# Altium PCB Horizontal Circuit Board.PcbDoc (part 1 of 2)
Units mm, origin at the board's own origin, x right, y up, seen from the top; angles counter-clockwise.
Board outline 200 x 111 mm, 2 copper layers (Top Layer, Bottom Layer); 170 components, 183 nets, 687 pads, 373 vias.
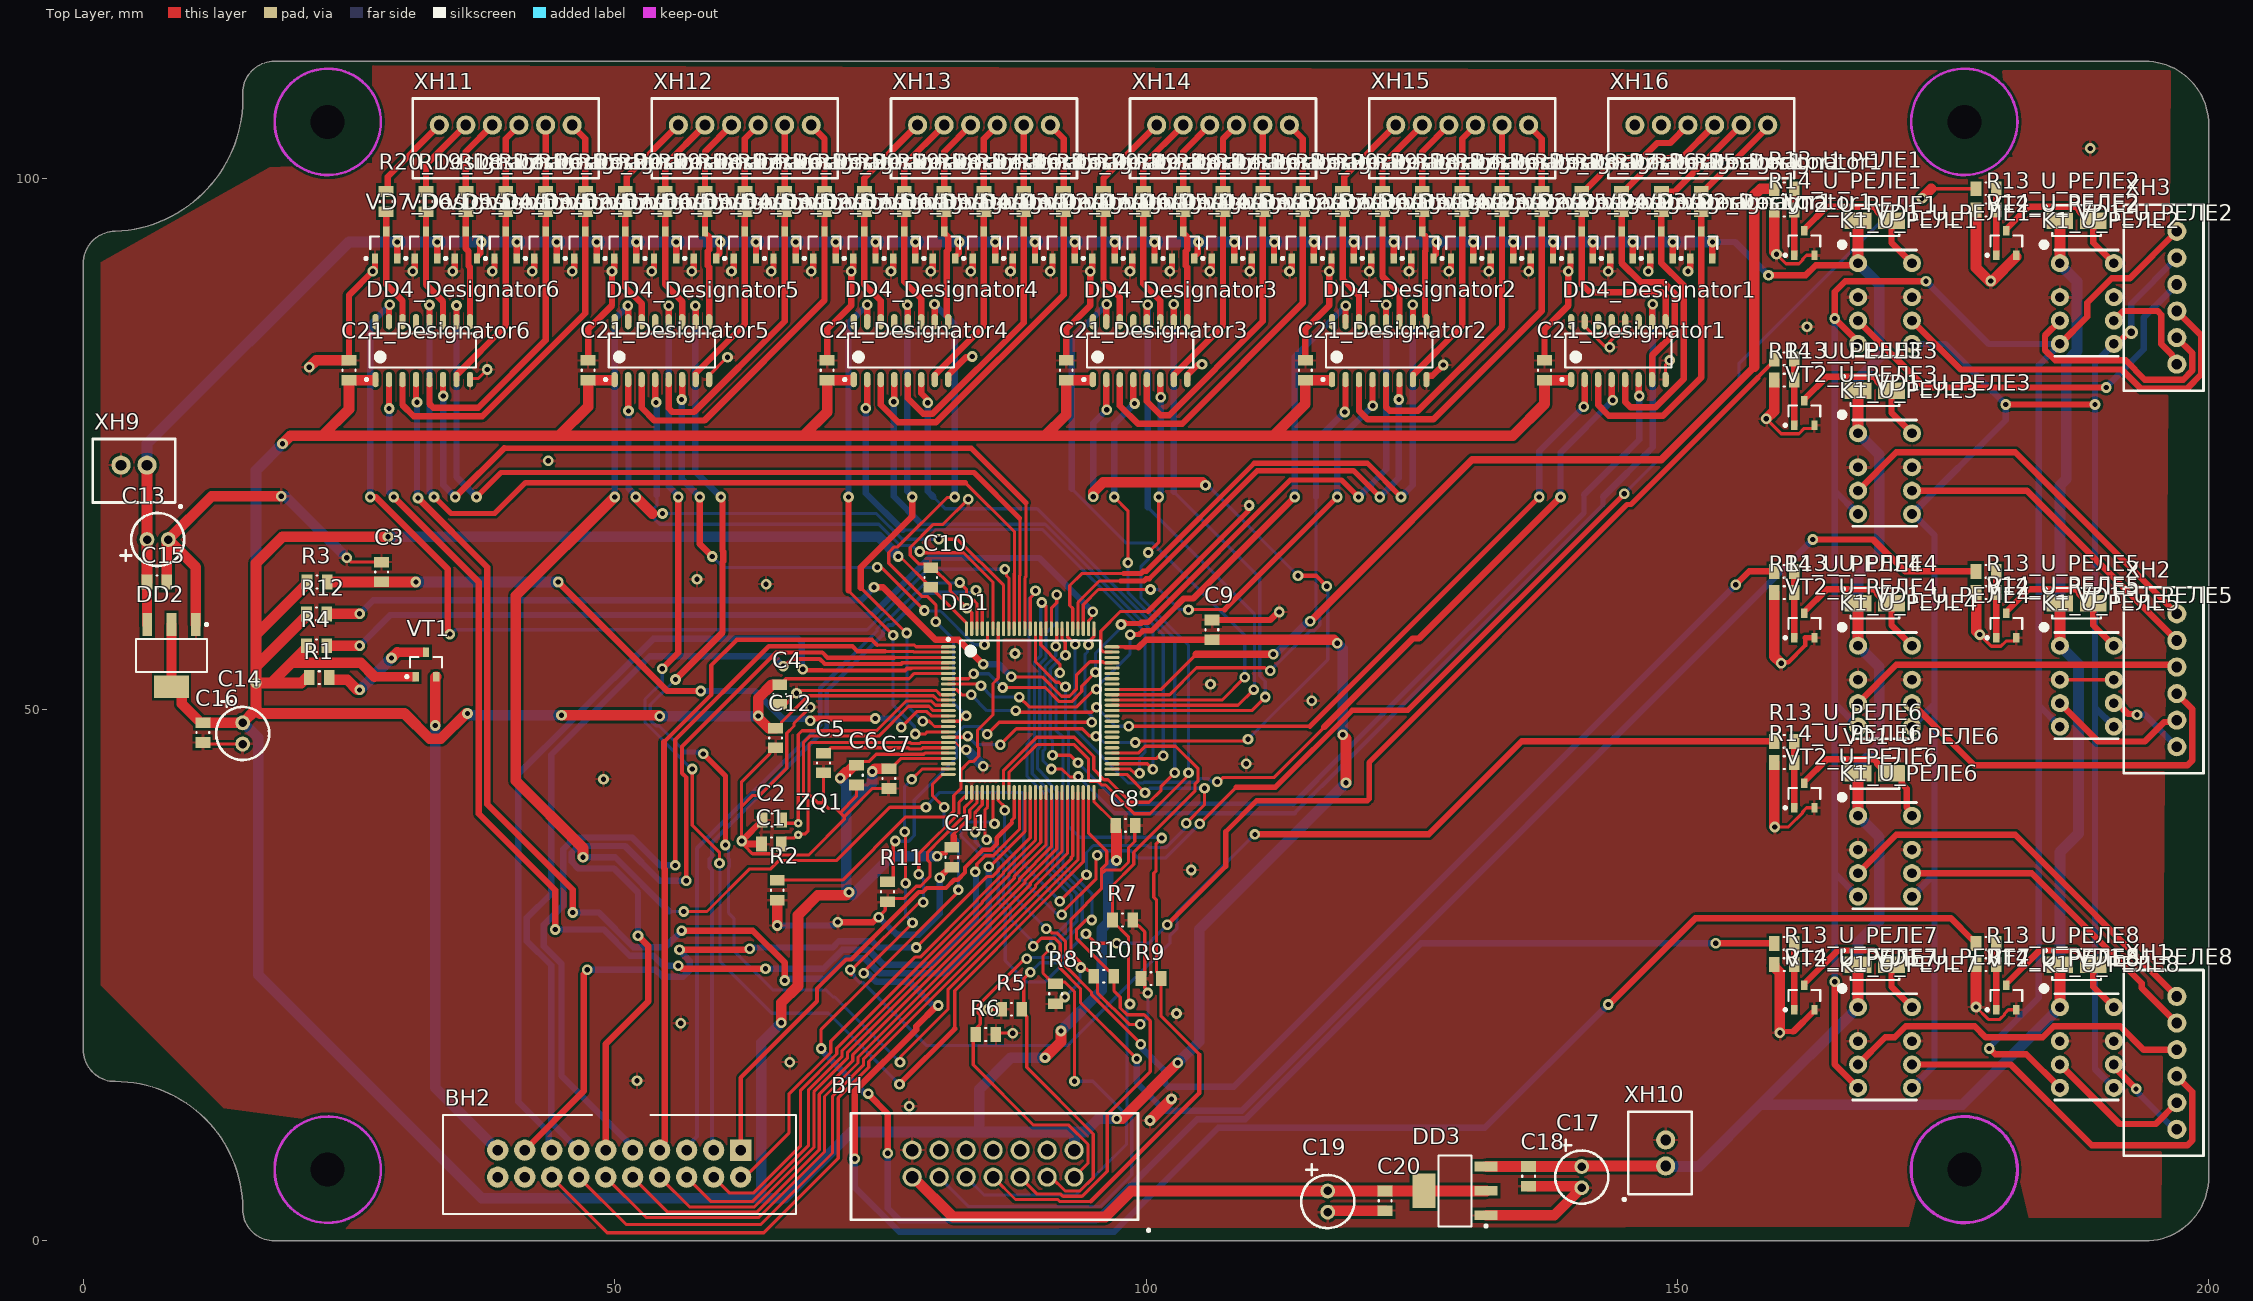
[diagram p0: Top Layer view]
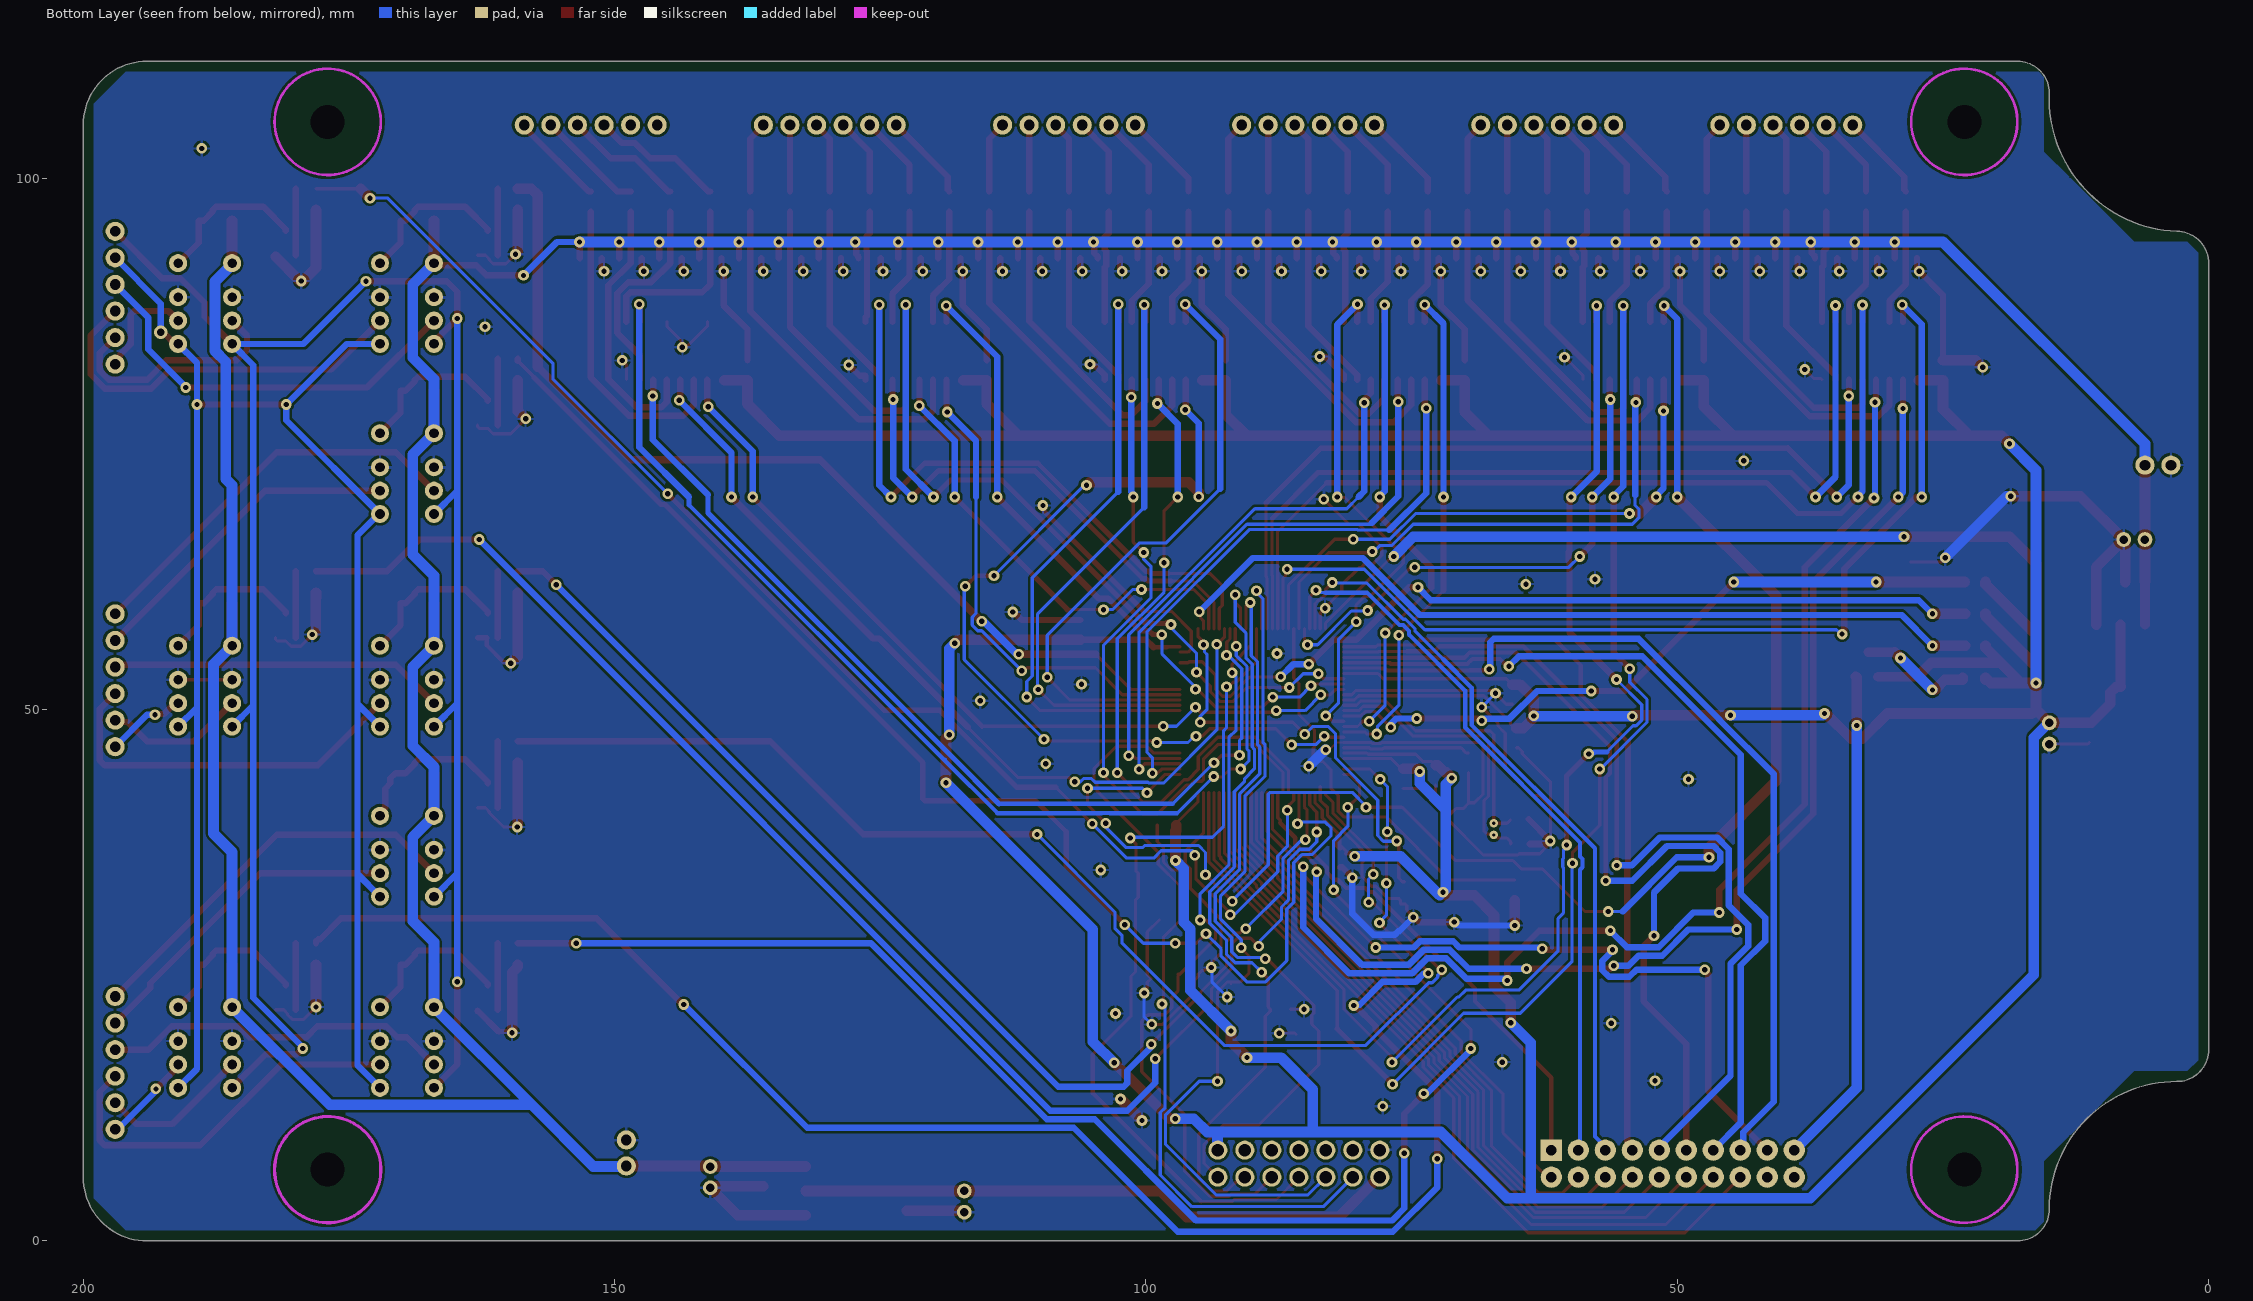
[diagram p1: Bottom Layer view, seen from below]
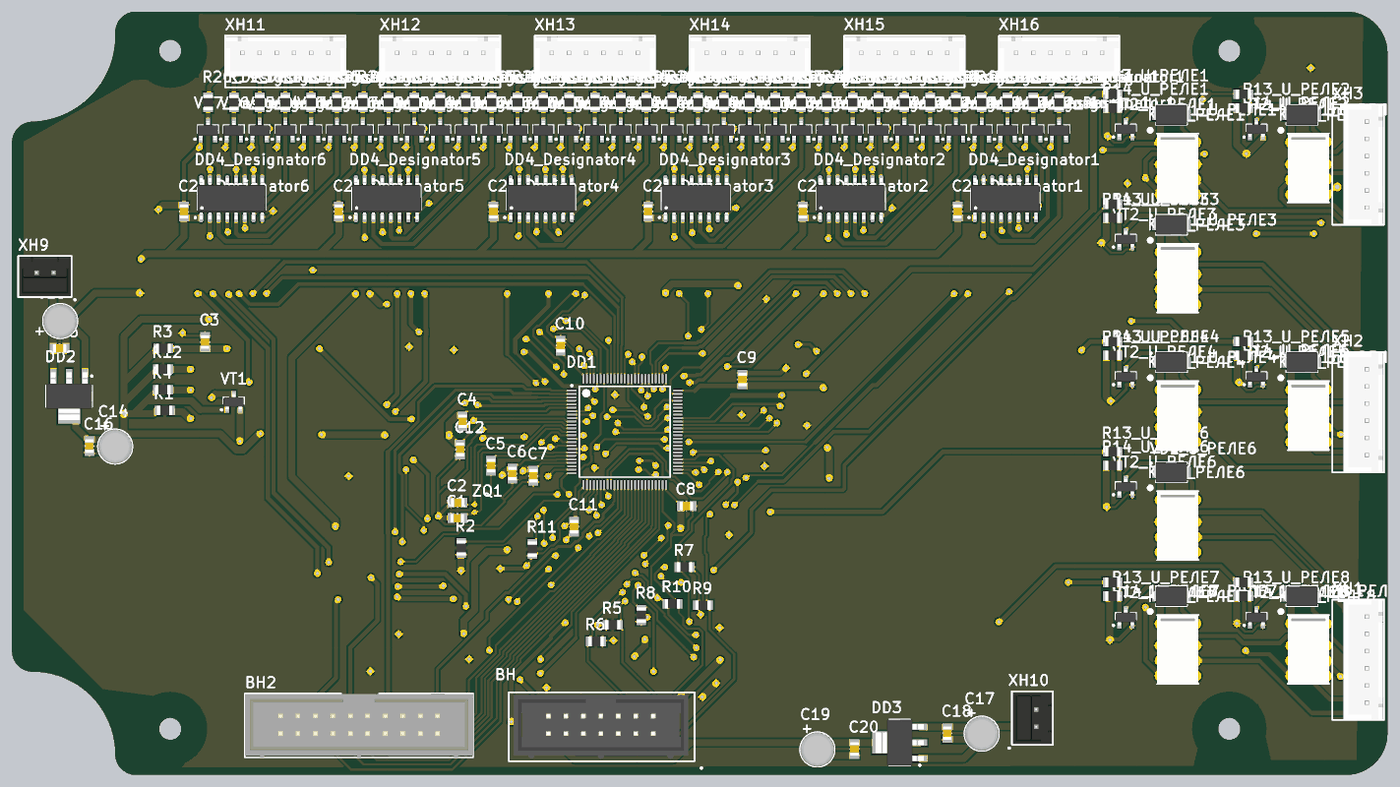
[diagram p3: 3D render of the assembled board from above, using the file's embedded part models]

## Layer stack, top to bottom
Top Solder: solder mask 0.0102, Solder Resist, Dk 3.5
Top Layer: signal copper 0.0356
Dielectric 1: dielectric 0.32, FR-4, Dk 4.8
Bottom Layer: signal copper 0.0356
Bottom Solder: solder mask 0.0102, Solder Resist, Dk 3.5

## Board outline
0,18 0,92 cw(c3,92) 3,95 ccw(c2.5,107.5) 15,108 cw(c18,108) 18,111 194,111 cw(c194,105) 200,105 200,6 cw(c194,6) 194,0 18,0 cw(c18,3) 15,3 ccw(c3,3) 3,15 cw(c3,18)

## Design rules (kind name [scope] priority, off if disabled: settings)
Clearance [All] p1: gap=0.254 ignorepadtopadclearanceinfootprint=FALSE except(0: Arc-Hole Track-Hole SMDPad-Hole THPad-Hole Via-Hole Fill-Hole Poly-Hole Region-Hole Text-Hole; 0.2: Arc-Arc Arc-Track Arc-SMDPad Track-Track Track-SMDPad SMDPad-SMDPad)
PolygonConnect [All] p1: connectstyle=Relief reliefconductorwidth=0.254 reliefentries=4 polygonreliefangle="90 Angle" airgapwidth=0.254
RoutingVias [All] p1: holewidth=0.711 width=1.27 viastyle="Through Hole" minholewidth=0.711 minwidth=1.27 maxholewidth=0.711 maxwidth=1.27
SolderMaskExpansion [All] p1: expansion=0.1 istentingtop=FALSE useseparateexpansions=TRUE expansionbottom=0.1 istentingbottom=FALSE soldermaskfromhole=TRUE
Width [All] p1: maxlimit=1 minlimit=0.2 preferedwidth=0.2 minimp=50.000000 maximp=50.000000 favimp=50.000000
30 further rules are at their usual default settings.

## Components (designator, comment, footprint, x,y, rotation, side; value= is the part's Value field where it differs from the comment)
BH "*" "BH-14 (DS1013-14S) (IDC-14MS)" 93.24,6 r180 top (schematic designator BH?)
BH2 "BH20(2)" IDC20 51.319,3.714 r270 top
C1 "C(ceramic)" C(ceramic) 64.75,37.35 r180 top
C2 "C(ceramic)" C(ceramic) 64.8,39.6 r180 top
C3 "C(ceramic)" C(ceramic) 28.075,62.95 r270 top
C4 "C(ceramic)" C(ceramic) 65.535,51.425 r90 top
C5 "C(ceramic)" C(ceramic) 69.65,44.975 r90 top
C6 "C(ceramic)" C(ceramic) 72.75,43.825 r90 top
C7 "C(ceramic)" C(ceramic) 75.8,43.5 r90 top
C8 "C(ceramic)" C(ceramic) 98.075,39.1 r180 top
C9 "C(ceramic)" C(ceramic) 106.2,57.5 r270 top
C10 "C(ceramic)" C(ceramic) 79.75,62.425 r270 top
C11 "C(ceramic)" C(ceramic) 81.725,36.1 r90 top
C12 "C(ceramic)" C(ceramic) 65.15,47.325 r90 top
C13 "C(AlEL)" C(AlEL) 8,66 r180 top
C14 "C(AlEL)" C(AlEL) 15,46.75 r90 top
C15 "C(ceramic)" C(ceramic) 6.925,62 r180 top
C16 "C(ceramic)" C(ceramic) 11.25,47.825 r90 top
C17 "C(AlEL)" C(AlEL) 141,5 r90 top
C18 "C(ceramic)" C(ceramic) 136,6.075 r90 top
C19 "C(AlEL)" C(AlEL) 117.1,2.7 r90 top
C20 "C(ceramic)" C(ceramic) 122.5,3.775 r90 top
C21_Designator1 "C(ceramic)" C(ceramic) 137.5,81.925 r90 top (schematic designator C21)
C21_Designator2 "C(ceramic)" C(ceramic) 115,81.925 r90 top (schematic designator C21)
C21_Designator3 "C(ceramic)" C(ceramic) 92.5,81.925 r90 top (schematic designator C21)
C21_Designator4 "C(ceramic)" C(ceramic) 70,81.925 r90 top (schematic designator C21)
C21_Designator5 "C(ceramic)" C(ceramic) 47.5,81.925 r90 top (schematic designator C21)
C21_Designator6 "C(ceramic)" C(ceramic) 25,81.925 r90 top (schematic designator C21)
DD1 "AT32F407VGT7" "Микроконтроллер AT32F407VGT7_LQFP-100" 89.1,49.9 r0 top
DD2 "LDL1117" LDL1117 8.3,55.075 r270 top
DD3 "LDL1117" LDL1117 129.075,4.7 r180 top
DD4_Designator1 "74HC4050" 74HC4050(51) 144.445,83.775 r90 top (schematic designator DD4)
DD4_Designator2 "74HC4050" 74HC4050(51) 121.945,83.775 r90 top (schematic designator DD4)
DD4_Designator3 "74HC4050" 74HC4050(51) 99.445,83.775 r90 top (schematic designator DD4)
DD4_Designator4 "74HC4050" 74HC4050(51) 76.945,83.775 r90 top (schematic designator DD4)
DD4_Designator5 "74HC4050" 74HC4050(51) 54.445,83.775 r90 top (schematic designator DD4)
DD4_Designator6 "74HC4050" 74HC4050(51) 31.945,83.775 r90 top (schematic designator DD4)
K1_U_РЕЛЕ1 "IM06TS" IM06TS 167,92 r270 top (schematic designator K1)
K1_U_РЕЛЕ2 "IM06TS" IM06TS 186,92 r270 top (schematic designator K1)
K1_U_РЕЛЕ3 "IM06TS" IM06TS 167,76 r270 top (schematic designator K1)
K1_U_РЕЛЕ4 "IM06TS" IM06TS 167,56 r270 top (schematic designator K1)
K1_U_РЕЛЕ5 "IM06TS" IM06TS 186,56 r270 top (schematic designator K1)
K1_U_РЕЛЕ6 "IM06TS" IM06TS 167,40 r270 top (schematic designator K1)
K1_U_РЕЛЕ7 "IM06TS" IM06TS 167,22 r270 top (schematic designator K1)
K1_U_РЕЛЕ8 "IM06TS" IM06TS 186,22 r270 top (schematic designator K1)
R1 "R" R 22.2,53 r180 top
R2 "R" R 65.3,33 r270 top
R3 "R" R 22,62 r0 top
R4 "R" R 21.95,56 r180 top
R5 "R" R 87.35,21.8 r0 top
R6 "R" R 84.925,19.425 r180 top
R7 "R" R 97.8,30.2 r0 top
R8 "R" R 91.5,23.25 r270 top
R9 "R" R 100.475,24.675 r180 top
R10 "R" R 96.025,24.9 r180 top
R11 "R" R 75.675,32.85 r90 top
R12 "R" R 21.95,59 r0 top
R13_U_РЕЛЕ1 "R" R 160.05,99 r0 top (schematic designator R13)
R13_U_РЕЛЕ2 "R" R 179.05,99 r0 top (schematic designator R13)
R13_U_РЕЛЕ3 "R" R 160.05,83 r0 top (schematic designator R13)
R13_U_РЕЛЕ4 "R" R 160.05,63 r0 top (schematic designator R13)
R13_U_РЕЛЕ5 "R" R 179.05,63 r0 top (schematic designator R13)
R13_U_РЕЛЕ6 "R" R 160.05,47 r0 top (schematic designator R13)
R13_U_РЕЛЕ7 "R" R 160.05,28 r0 top (schematic designator R13)
R13_U_РЕЛЕ8 "R" R 179.05,28 r0 top (schematic designator R13)
R14_U_РЕЛЕ1 "R" R 160.05,97 r0 top (schematic designator R14)
R14_U_РЕЛЕ2 "R" R 179.05,97 r0 top (schematic designator R14)
R14_U_РЕЛЕ3 "R" R 160.05,81 r0 top (schematic designator R14)
R14_U_РЕЛЕ4 "R" R 160.05,61 r0 top (schematic designator R14)
R14_U_РЕЛЕ5 "R" R 179.05,61 r0 top (schematic designator R14)
R14_U_РЕЛЕ6 "R" R 160.05,45 r0 top (schematic designator R14)
R14_U_РЕЛЕ7 "R" R 160.05,26 r0 top (schematic designator R14)
R14_U_РЕЛЕ8 "R" R 179.05,26 r0 top (schematic designator R14)
R15_Designator1 "R" R 152.25,97.8 r270 top (schematic designator R15)
R15_Designator2 "R" R 137.25,97.8 r270 top (schematic designator R15)
R15_Designator3 "R" R 114.75,97.8 r270 top (schematic designator R15)
R15_Designator4 "R" R 92.25,97.8 r270 top (schematic designator R15)
R15_Designator5 "R" R 69.75,97.8 r270 top (schematic designator R15)
R15_Designator6 "R" R 47.25,97.8 r270 top (schematic designator R15)
R16_Designator1 "R" R 148.5,97.8 r270 top (schematic designator R16)
R16_Designator2 "R" R 133.5,97.8 r270 top (schematic designator R16)
R16_Designator3 "R" R 111,97.8 r270 top (schematic designator R16)
R16_Designator4 "R" R 88.5,97.8 r270 top (schematic designator R16)
R16_Designator5 "R" R 66,97.8 r270 top (schematic designator R16)
R16_Designator6 "R" R 43.5,97.8 r270 top (schematic designator R16)
R17_Designator1 "R" R 144.75,97.8 r270 top (schematic designator R17)
R17_Designator2 "R" R 129.75,97.8 r270 top (schematic designator R17)
R17_Designator3 "R" R 107.25,97.8 r270 top (schematic designator R17)
R17_Designator4 "R" R 84.75,97.8 r270 top (schematic designator R17)
R17_Designator5 "R" R 62.25,97.8 r270 top (schematic designator R17)
R17_Designator6 "R" R 39.75,97.8 r270 top (schematic designator R17)
R18_Designator1 "R" R 141,97.8 r270 top (schematic designator R18)
R18_Designator2 "R" R 126,97.8 r270 top (schematic designator R18)
R18_Designator3 "R" R 103.5,97.8 r270 top (schematic designator R18)
R18_Designator4 "R" R 81,97.8 r270 top (schematic designator R18)
R18_Designator5 "R" R 58.5,97.8 r270 top (schematic designator R18)
R18_Designator6 "R" R 36,97.8 r270 top (schematic designator R18)
R19_Designator2 "R" R 122.25,97.8 r270 top (schematic designator R19)
R19_Designator3 "R" R 99.75,97.8 r270 top (schematic designator R19)
R19_Designator4 "R" R 77.25,97.8 r270 top (schematic designator R19)
R19_Designator5 "R" R 54.75,97.8 r270 top (schematic designator R19)
R19_Designator6 "R" R 32.25,97.8 r270 top (schematic designator R19)
R20_Designator2 "R" R 118.5,97.8 r270 top (schematic designator R20)
R20_Designator3 "R" R 96,97.8 r270 top (schematic designator R20)
R20_Designator4 "R" R 73.5,97.8 r270 top (schematic designator R20)
R20_Designator5 "R" R 51,97.8 r270 top (schematic designator R20)
R20_Designator6 "R" R 28.5,97.8 r270 top (schematic designator R20)
VD1_U_РЕЛЕ1 "SS14" SS14 168.575,96 r0 top (schematic designator VD1)
VD1_U_РЕЛЕ2 "SS14" SS14 187.575,96 r0 top (schematic designator VD1)
VD1_U_РЕЛЕ3 "SS14" SS14 168.575,80 r0 top (schematic designator VD1)
VD1_U_РЕЛЕ4 "SS14" SS14 168.575,60 r0 top (schematic designator VD1)
VD1_U_РЕЛЕ5 "SS14" SS14 187.575,60 r0 top (schematic designator VD1)
VD1_U_РЕЛЕ6 "SS14" SS14 168.575,44 r0 top (schematic designator VD1)
VD1_U_РЕЛЕ7 "SS14" SS14 168.575,26 r0 top (schematic designator VD1)
VD1_U_РЕЛЕ8 "SS14" SS14 187.575,26 r0 top (schematic designator VD1)
VD2_Designator1 "BAV99" BAV99 152.25,93.725 r90 top (schematic designator VD2)
VD2_Designator2 "BAV99" BAV99 137.25,93.725 r90 top (schematic designator VD2)
VD2_Designator3 "BAV99" BAV99 114.75,93.725 r90 top (schematic designator VD2)
VD2_Designator4 "BAV99" BAV99 92.25,93.725 r90 top (schematic designator VD2)
VD2_Designator5 "BAV99" BAV99 69.75,93.725 r90 top (schematic designator VD2)
VD2_Designator6 "BAV99" BAV99 47.25,93.725 r90 top (schematic designator VD2)
VD3_Designator1 "BAV99" BAV99 148.5,93.725 r90 top (schematic designator VD3)
VD3_Designator2 "BAV99" BAV99 133.5,93.725 r90 top (schematic designator VD3)
VD3_Designator3 "BAV99" BAV99 111,93.725 r90 top (schematic designator VD3)
VD3_Designator4 "BAV99" BAV99 88.5,93.725 r90 top (schematic designator VD3)
VD3_Designator5 "BAV99" BAV99 66,93.725 r90 top (schematic designator VD3)
VD3_Designator6 "BAV99" BAV99 43.5,93.725 r90 top (schematic designator VD3)
VD4_Designator1 "BAV99" BAV99 144.75,93.725 r90 top (schematic designator VD4)
VD4_Designator2 "BAV99" BAV99 129.75,93.725 r90 top (schematic designator VD4)
VD4_Designator3 "BAV99" BAV99 107.25,93.725 r90 top (schematic designator VD4)
VD4_Designator4 "BAV99" BAV99 84.75,93.725 r90 top (schematic designator VD4)
VD4_Designator5 "BAV99" BAV99 62.25,93.725 r90 top (schematic designator VD4)
VD4_Designator6 "BAV99" BAV99 39.75,93.725 r90 top (schematic designator VD4)
VD5_Designator1 "BAV99" BAV99 141,93.725 r90 top (schematic designator VD5)
VD5_Designator2 "BAV99" BAV99 126,93.725 r90 top (schematic designator VD5)
VD5_Designator3 "BAV99" BAV99 103.5,93.725 r90 top (schematic designator VD5)
VD5_Designator4 "BAV99" BAV99 81,93.725 r90 top (schematic designator VD5)
VD5_Designator5 "BAV99" BAV99 58.5,93.725 r90 top (schematic designator VD5)
VD5_Designator6 "BAV99" BAV99 36,93.725 r90 top (schematic designator VD5)
VD6_Designator2 "BAV99" BAV99 122.25,93.725 r90 top (schematic designator VD6)
VD6_Designator3 "BAV99" BAV99 99.75,93.725 r90 top (schematic designator VD6)
VD6_Designator4 "BAV99" BAV99 77.25,93.725 r90 top (schematic designator VD6)
VD6_Designator5 "BAV99" BAV99 54.75,93.725 r90 top (schematic designator VD6)
VD6_Designator6 "BAV99" BAV99 32.25,93.725 r90 top (schematic designator VD6)
VD7_Designator2 "BAV99" BAV99 118.5,93.725 r90 top (schematic designator VD7)
VD7_Designator3 "BAV99" BAV99 96,93.725 r90 top (schematic designator VD7)
VD7_Designator4 "BAV99" BAV99 73.5,93.725 r90 top (schematic designator VD7)
VD7_Designator5 "BAV99" BAV99 51,93.725 r90 top (schematic designator VD7)
VD7_Designator6 "BAV99" BAV99 28.5,93.725 r90 top (schematic designator VD7)
VT1 "IRLML6402" BC847(IRLML6402) 32.25,54.25 r90 top
VT2_U_РЕЛЕ1 "BC837(КТ3130)" BC847(IRLML6402) 161.95,93.9 r90 top (schematic designator VT2)
VT2_U_РЕЛЕ2 "BC837(КТ3130)" BC847(IRLML6402) 180.95,93.9 r90 top (schematic designator VT2)
VT2_U_РЕЛЕ3 "BC837(КТ3130)" BC847(IRLML6402) 161.95,77.9 r90 top (schematic designator VT2)
VT2_U_РЕЛЕ4 "BC837(КТ3130)" BC847(IRLML6402) 161.95,57.9 r90 top (schematic designator VT2)
VT2_U_РЕЛЕ5 "BC837(КТ3130)" BC847(IRLML6402) 180.95,57.9 r90 top (schematic designator VT2)
VT2_U_РЕЛЕ6 "BC837(КТ3130)" BC847(IRLML6402) 161.95,41.9 r90 top (schematic designator VT2)
VT2_U_РЕЛЕ7 "BC837(КТ3130)" BC847(IRLML6402) 161.95,22.9 r90 top (schematic designator VT2)
VT2_U_РЕЛЕ8 "BC837(КТ3130)" BC847(IRLML6402) 180.95,22.9 r90 top (schematic designator VT2)
XH1 "ХH(6)Реле" XH(6) 197,10.5 r90 top
XH2 "ХH(6)Реле" XH(6) 197,46.5 r90 top
XH3 "ХH(6)Вольтметр" XH(6) 197,82.5 r90 top
XH9 "ХН(2)" ХН(2) 6,73 r180 top
XH10 "ХН(2)" ХН(2) 148.9,7.05 r90 top
XH11 "ХH(6)" XH(6) 46,105 r180 top
XH12 "ХH(6)" XH(6) 68.5,105 r180 top
XH13 "ХH(6)" XH(6) 91,105 r180 top
XH14 "ХH(6)" XH(6) 113.5,105 r180 top
XH15 "ХH(6)" XH(6) 136,105 r180 top
XH16 "ХH(6)" XH(6) 158.5,105 r180 top
ZQ1 "Кварц" "KX-38 32.768 KHZ" 67.275,38.2 r90 top

## Footprints (in the part's own frame and the unit in brackets; to place one, negate y for a bottom-side part, rotate by r counter-clockwise, add the part's x,y. Pads: shape width x height; smd on the part's side, far side on the other; paste and mask are expansions set on the pad)
74HC4050(51) [mm]
  oval 1.45x0.6 smd: 1(-2.725,4.445) 2(-2.725,3.175) 3(-2.725,1.905) 4(-2.725,0.635) 5(-2.725,-0.635) 6(-2.725,-1.905) 7(-2.725,-3.175) 8(-2.725,-4.445) 9(2.725,-4.445) 10(2.725,-3.175) 11(2.725,-1.905) 12(2.725,-0.635) 13(2.725,0.635) 14(2.725,1.905) 15(2.725,3.175) 16(2.725,4.445)
  silkscreen extent -2.85,-5 1.6,5.42, body extent -3,-5 3,5, height 1.75
BAV99 [mm] "SOT23, 3-Leads, Body 2,90x2,45mm, Pitch 1,05mm, IPC Medium Density"
  rect 0.95x0.6 smd: 1(-1.275,1.05) 2(-1.275,-1.05) 3(1.275,0)
  silkscreen extent -1.4,-1.5 0.8,2.02, body extent -1.4,-1.5 1.4,1.5, height 1.3
BC847(IRLML6402) [mm] "SOT23, 3-Leads, Body 2,80x2,30mm, Pitch 0,95mm, IPC Medium Density"
  rect 0.9x0.6 smd: 1(-1.15,0.95) 2(-1.15,-0.95) 3(1.15,0)
  silkscreen extent -1.27,-1.5 0.7,1.92, body extent -1.3,-1.5 1.3,1.5, height 1.1
"BH-14 (DS1013-14S) (IDC-14MS)" [mm]
  round 1.8 hole 1.2: 1(0,0) 2(2.54,0) 3(5.08,0) 4(7.62,0) 5(10.16,0) 6(12.7,0) 7(15.24,0) 8(0,-2.54) 9(2.54,-2.54) 10(5.08,-2.54) 11(7.62,-2.54) 12(10.16,-2.54) 13(12.7,-2.54) 14(15.24,-2.54)
  silkscreen extent -7.13,-6 21,5.12, body extent -5.1,-5.7 20.3,3.65, height 10.25
C(AlEL) [mm]
  round 1.4 hole 0.8: 1(2,0) 2(0,0)
  silkscreen extent -1.5,-2.5 4.5,2.5, body extent -1.5,-2.5 3.5,2.5, height 12
C(ceramic) [mm] "Chip Capacitor, 2-Leads, Body 2,00x1,25mm, IPC Medium Density"
  rect 1x1.4 smd: 1(-0.925,0) 2(0.925,0)
  silkscreen extent -0.05,-0.6 0.05,0.6, body extent -1,-0.63 1,0.63, height 1.3
IDC20 [mm]
  rect 2x2 hole 1: 1(-4.826,10.541)
  round 2 hole 1: 2(-4.826,8.001) 3(-4.826,5.461) 4(-4.826,2.921) 5(-4.826,0.381) 6(-4.826,-2.159) 7(-4.826,-4.699) 8(-4.826,-7.239) 9(-4.826,-9.779) 10(-4.826,-12.319) 11(-2.286,10.541) 12(-2.286,8.001) 13(-2.286,5.461) 14(-2.286,2.921) 15(-2.286,0.381) 16(-2.286,-2.159) 17(-2.286,-4.699) 18(-2.286,-7.239) 19(-2.286,-9.779) 20(-2.286,-12.319)
  silkscreen extent -8.13,-17.46 1.17,15.74, body extent -8.13,-17.46 1.17,15.74, height 9.1
IM06TS [mm]
  round 1.7 hole 0.9: 1(0,0) 2(3.2,0) 3(5.4,0) 4(7.6,0) 5(7.6,5.08) 6(5.4,5.08) 7(3.2,5.08) 8(0,5.08)
  silkscreen extent -2,-1.75 8.75,5.5, body extent -1.25,-0.5 8.75,5.5, height 5.4
"KX-38 32.768 KHZ" [mm]
  round 0.8 hole 0.3: 1(0,0) 2(1.1,0)
LDL1117 [mm]
  rect 2.15x0.9 smd: 1(-2.925,2.3) 2(-2.925,0) 3(-2.925,-2.3)
  rect 2.15x3.25 smd: 2(2.925,0)
  silkscreen extent -3.05,-3.35 1.55,3.43, body extent -3.5,-3.35 3.5,3.35, height 1.8
R [mm] "Chip Resistor, 2-Leads, Body 2,10x1,30mm, IPC Medium Density"
  rect 1x1.4 smd: 1(-0.95,0) 2(0.95,0)
  silkscreen extent -0.05,-0.6 0.05,0.6, body extent -1.1,-0.7 1.1,0.7, height 0.6
SS14 [mm] "Molded Diode, 2-Leads, Body 4,30x2,70mm, IPC Medium Density"
  rect 2.5x1.55 smd: 1(-1.575,0) 2(1.575,0)
  silkscreen extent -3.07,-1.45 2.3,1.45, body extent -2.52,-1.45 2.52,1.45, height 2.44
XH(6) [mm]
  round 1.8 hole 1: 1(0,0) 2(2.5,0) 3(5,0) 4(7.5,0) 5(10,0) 6(12.5,0)
  silkscreen extent -2.5,-2.5 15,5, body extent -2.45,-2.35 14.95,3.4, height 7
"Микроконтроллер AT32F407VGT7_LQFP-100" [mm] "TQFP-100"
  oval 1.4x0.3 smd: 1(-7.7,6) 2(-7.7,5.5) 3(-7.7,5) 4(-7.7,4.5) 5(-7.7,4) 6(-7.7,3.5) 7(-7.7,3) 8(-7.7,2.5) 9(-7.7,2) 10(-7.7,1.5) 11(-7.7,1) 12(-7.7,0.5) 13(-7.7,0) 14(-7.7,-0.5) 15(-7.7,-1) 16(-7.7,-1.5) 17(-7.7,-2) 18(-7.7,-2.5) 19(-7.7,-3) 20(-7.7,-3.5) 21(-7.7,-4) 22(-7.7,-4.5) 23(-7.7,-5) 24(-7.7,-5.5) 25(-7.7,-6) 51(7.7,-6) 52(7.7,-5.5) 53(7.7,-5) 54(7.7,-4.5) 55(7.7,-4) 56(7.7,-3.5) 57(7.7,-3) 58(7.7,-2.5) 59(7.7,-2) 60(7.7,-1.5) 61(7.7,-1) 62(7.7,-0.5) 63(7.7,0) 64(7.7,0.5) 65(7.7,1) 66(7.7,1.5) 67(7.7,2) 68(7.7,2.5) 69(7.7,3) 70(7.7,3.5) 71(7.7,4) 72(7.7,4.5) 73(7.7,5) 74(7.7,5.5) 75(7.7,6)
  oval 0.3x1.4 smd: 26(-6,-7.7) 27(-5.5,-7.7) 28(-5,-7.7) 29(-4.5,-7.7) 30(-4,-7.7) 31(-3.5,-7.7) 32(-3,-7.7) 33(-2.5,-7.7) 34(-2,-7.7) 35(-1.5,-7.7) 36(-1,-7.7) 37(-0.5,-7.7) 38(0,-7.7) 39(0.5,-7.7) 40(1,-7.7) 41(1.5,-7.7) 42(2,-7.7) 43(2.5,-7.7) 44(3,-7.7) 45(3.5,-7.7) 46(4,-7.7) 47(4.5,-7.7) 48(5,-7.7) 49(5.5,-7.7) 50(6,-7.7) 76(6,7.7) 77(5.5,7.7) 78(5,7.7) 79(4.5,7.7) 80(4,7.7) 81(3.5,7.7) 82(3,7.7) 83(2.5,7.7) 84(2,7.7) 85(1.5,7.7) 86(1,7.7) 87(0.5,7.7) 88(0,7.7) 89(-0.5,7.7) 90(-1,7.7) 91(-1.5,7.7) 92(-2,7.7) 93(-2.5,7.7) 94(-3,7.7) 95(-3.5,7.7) 96(-4,7.7) 97(-4.5,7.7) 98(-5,7.7) 99(-5.5,7.7) 100(-6,7.7)
  silkscreen extent -7.82,-6.6 6.6,6.82, body extent -7,-7 7,7, height 1.6
ХН(2) [mm]
  round 1.8 hole 1: 1(0,0) 2(2.45,0)
  silkscreen extent -3.27,-2.45 5.1,4.02, body extent -2.55,-2.32 4.95,3.38, height 7
